# Altium PCB PRECLEAN USB-GPIB.PcbDoc (continued)
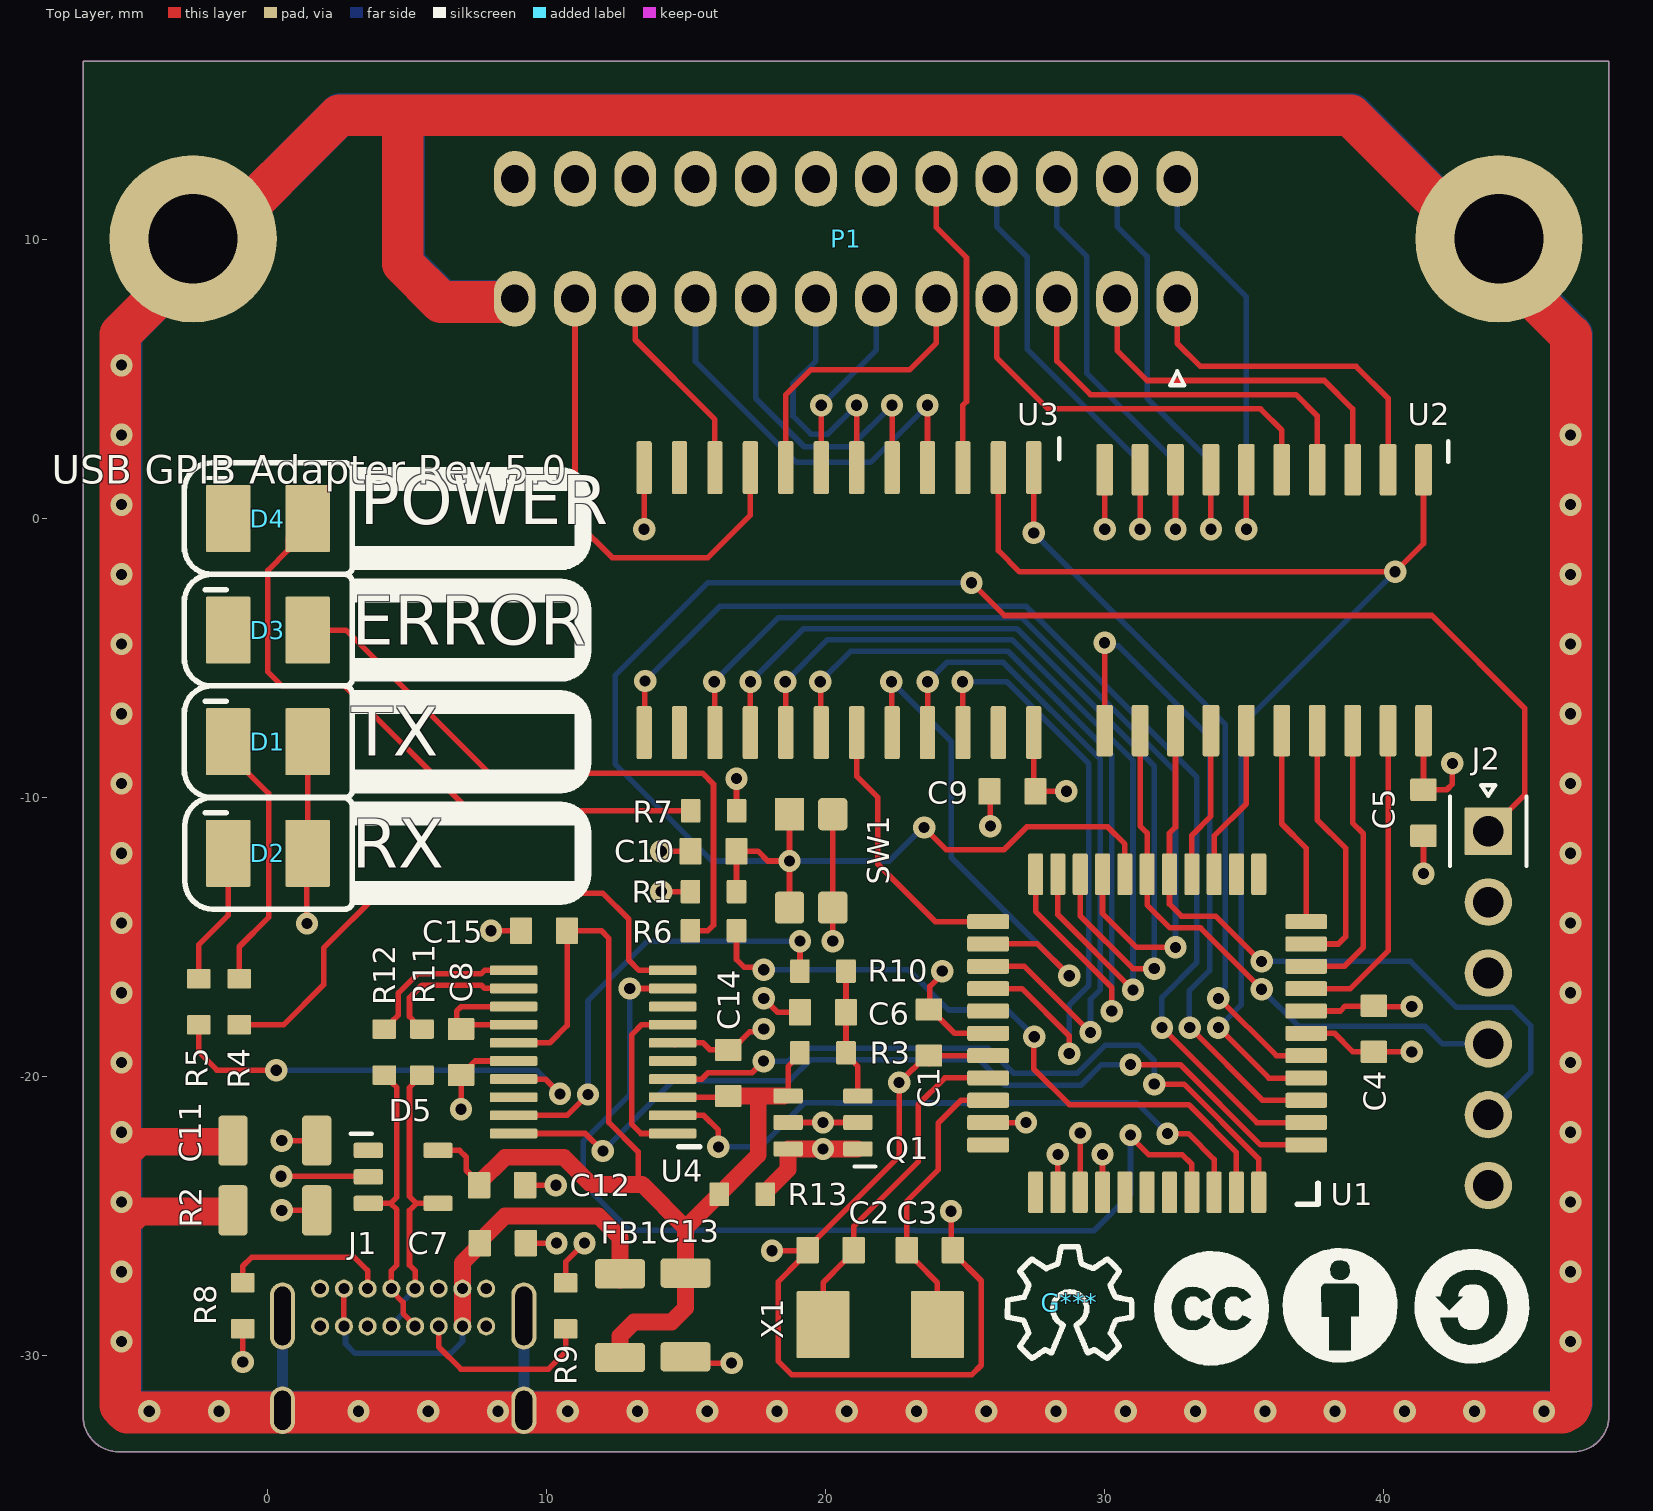
[diagram p0: Top Layer view]
## Components (designator, comment, footprint, x,y, rotation, side; value= is the part's Value field where it differs from the comment)
C1 "GENERIC-CAP-0603" CAP0603 23.7,-18.425 r270 top
C2 "GENERIC-CAP-0603" CAP0603 20.174,-26.229 r180 top
C3 "GENERIC-CAP-0603" CAP0603 23.73,-26.229 r0 top
C4 "GENERIC-CAP-0603" CAP0603 39.649,-18.293 r270 top
C5 "GENERIC-CAP-0603" CAP0603 41.427,-10.546 r270 top
C6 "GENERIC-CAP-0603" CAP0603 19.9,-17.7 r0 top
C7 "GENERIC-CAP-0603" CAP0603 8.425,-25.975 r0 top
C8 "GENERIC-CAP-0603" CAP0603 6.925,-19.125 r270 top locked
C9 "GENERIC-CAP-0603" CAP0603 26.695,-9.784 r180 top
C10 "GENERIC-CAP-0603" CAP0603 15.975,-11.925 r180 top
C11 "GENERIC-CAP-1206" CAP1206 0.25,-22.3 r0 top locked
C12 "GENERIC-CAP-0603" CAP0603 8.4,-23.9 r0 top
C13 "GENERIC-CAP-1206" CAP1206 14.975,-28.55 r270 top
C14 "GENERIC-CAP-0603" CAP0603 16.5,-19.875 r90 top
C15 "GENERIC-CAP-0603" CAP0603 9.9,-14.775 r180 top
D1 "LED-PLCC2-GREEN" LED-PLCC2-GREEN 0,-8 r0 top
D2 "LED-PLCC2-GREEN" LED-PLCC2-GREEN 0,-12 r0 top
D3 "LED-PLCC2-RED" LED-PLCC2-RED 0,-4 r0 top
D4 "LED-PLCC2-BLUE" LED-PLCC2-BLUE 0,0 r0 top
D5 "TVS-WURTH-824011" SOT23-5 4.85,-23.6 r0 top
FB1 "GENERIC-FB-1206" FB1206 12.625,-28.575 r90 top
G*** "Comment" LOGO 28.739,-28.104 r0 top value=LOGO
J1 "CONN-USBC-USB2-HOR" CONN-GCT-USB4085 4.851,-31.632 r0 top locked
J2 "CONN-HEADER-PIN-1X6" HEADER-1X6 43.75,-17.56 r270 top
P1 "CONN-NORCOMP-112-024-113R001" CONN-NORCOMP-112-024-113R001 20.726,10.028 r0 top
Q1 "PMOS-DDGSDD" SOT23-6 19.9,-21.65 r180 top
R1 "GENERIC-RES-0603" RES0603 15.975,-13.375 r0 top
R2 "GENERIC-RES-1206" RES1206 0.25,-24.8 r0 top locked
R3 "GENERIC-RES-0603" RES0603 19.9,-19.15 r180 top
R4 "GENERIC-RES-0603" RES0603 -1.025,-17.325 r90 top
R5 "GENERIC-RES-0603" RES0603 -2.475,-17.325 r90 top
R6 "GENERIC-RES-0603" RES0603 15.975,-14.775 r180 top
R7 "GENERIC-RES-0603" RES0603 15.976,-10.475 r180 top
R8 "GENERIC-RES-0603" RES0603 -0.9,-28.225 r90 top
R9 "GENERIC-RES-0603" RES0603 10.675,-28.225 r90 top
R10 "GENERIC-RES-0603" RES0603 19.9,-16.225 r0 top
R11 "GENERIC-RES-0603" RES0603 5.525,-19.125 r90 top locked
R12 "GENERIC-RES-0603" RES0603 4.175,-19.125 r90 top locked
R13 "GENERIC-RES-0603" RES0603 17.008,-24.225 r180 top
SW1 "SWITCH-PANASONIC-EVP-AA202K" SWITCH-PANASONIC-EVP-AA202K 19.475,-12.275 r270 top
U1 "PIC18F4520" QFP80P1200X1200-44N 31.521,-18.453 r180 top locked
U2 "SN75160B" SO127P1030-20N 35.712,-2.926 r270 top locked
U3 "SN75162B" SO127P1030-24N 20.472,-2.926 r270 top locked
U4 "IC-FTDI-FT231XS-R" SO65P640X110-20N 11.65,-19.125 r180 top
X1 "CRYSTAL-2PIN" XTAL-ABRACON-ABM3 21.952,-28.896 r0 top

## Footprints (in the part's own frame and the unit in brackets; to place one, negate y for a bottom-side part, rotate by r counter-clockwise, add the part's x,y. Pads: shape width x height; smd on the part's side, far side on the other; paste and mask are expansions set on the pad)
CAP0603 [mm] "Chip Capacitor, 2-Leads, Body 1.60x0.80mm, IPC Medium Density"
  rrect12% 0.8x0.95 smd mask+0.05: 1(-0.825,0) 2(0.825,0)
  body extent -0.8,-0.4 0.8,0.4, height 0.8
CAP1206 [mm] "CAPACITOR, CHIP 1206 (3216) 0.85MM THICK"
  rrect25% 1.05x1.8 smd paste+0 mask+0.075: 1(-1.5,0) 2(1.5,0)
  body extent -1.61,-0.81 1.61,0.81, height 0.86
CONN-GCT-USB4085 [mm]
  rrect100% 0.9x2.4 hole 2.1 slot 0.6 at 0 deg paste-2539.97 mask+0: 1(-4.325,3.045) 2(4.325,3.045)
  rrect100% 0.9x1.7 hole 1.4 slot 0.6 at 0 deg paste-2539.97 mask+0: 3(-4.325,-0.335) 4(4.325,-0.335)
  round 0.65 hole 0.4 paste-2539.97 mask+0: A1(-2.975,4.025) A4(-2.125,4.025) A5(-1.275,4.025) A6(-0.425,4.025) A7(0.425,4.025) A8(1.275,4.025) A9(2.125,4.025) A12(2.975,4.025) B1(2.975,2.675) B4(2.125,2.675) B5(1.275,2.675) B6(0.425,2.675) B7(-0.425,2.675) B8(-1.275,2.675) B9(-2.125,2.675) B12(-2.975,2.675)
  body extent -4.87,-4.83 4.87,4.83, height 0.25
CONN-NORCOMP-112-024-113R001 [mm] "GPIB MALE RA"
  oval 1.5x2 hole 1 paste-2539.97 mask+0.05: 1(11.874,-2.146) 2(9.716,-2.146) 3(7.556,-2.146) 4(5.397,-2.146) 5(3.238,-2.146) 6(1.079,-2.146) 7(-1.079,-2.146) 8(-3.238,-2.146) 9(-5.397,-2.146) 10(-7.556,-2.146) 11(-9.716,-2.146) 12(-11.874,-2.146) 13(11.874,2.146) 14(9.716,2.146) 15(7.556,2.146) 16(5.397,2.146) 17(3.238,2.146) 18(1.079,2.146) 19(-1.079,2.146) 20(-3.238,2.146) 21(-5.397,2.146) 22(-7.556,2.146) 23(-9.716,2.146) 24(-11.874,2.146)
  round 6 hole 3.2 paste-2539.97 mask+0.254: ME1(23.406,0) ME2(-23.406,0)
  silkscreen extent 11.63,-5.25 12.12,-4.75, body extent -27.36,-4.4 27.34,20, height 15.61
FB1206 [mm] "FERRITE BEAD, CHIP 1206 (3216)"
  rrect25% 1.05x1.8 smd paste+0 mask+0.075: 1(-1.5,0) 2(1.5,0)
  body extent -1.6,-0.8 1.6,0.8, height 1.3
HEADER-1X6 [mm]
  rrect5% 1.7x1.7 hole 1.1 mask+0.05: 1(-6.35,0)
  round 1.7 hole 1.1 mask+0.05: 2(-3.81,0) 3(-1.27,0) 4(1.27,0) 5(3.81,0) 6(6.35,0)
  silkscreen extent -8,-1.38 -5.1,1.38, body extent -7.62,-1.27 7.62,1.27, height 8.55
LED-PLCC2-BLUE [mm] "SMD Mono-color TOP LED, body 3.2x2.8mm"
  rrect6% 1.6x2.4 smd mask+0.05: 1(-1.425,0) 2(1.425,0)
  silkscreen extent -2.25,1.45 -1.5,1.45, body extent -1.75,-1.4 1.75,1.4, height 1.9
LED-PLCC2-GREEN [mm] "SMD Mono-color TOP LED, body 3.2x2.8mm"
  rrect6% 1.6x2.4 smd mask+0.05: 1(-1.425,0) 2(1.425,0)
  silkscreen extent -2.25,1.45 -1.5,1.45, body extent -1.75,-1.4 1.75,1.4, height 1.9
LED-PLCC2-RED [mm] "SMD Mono-color TOP LED, body 3.2x2.8mm"
  rrect6% 1.6x2.4 smd mask+0.05: 1(-1.425,0) 2(1.425,0)
  silkscreen extent -2.25,1.45 -1.5,1.45, body extent -1.75,-1.4 1.75,1.4, height 1.9
LOGO [mm]
  silkscreen extent -2.23,-2 2.23,2
QFP80P1200X1200-44N [mm] "TQFP80P1200X1200 44N"
  rrect25% 1.5x0.54 smd mask+0.075: 1(-5.7,4) 2(-5.7,3.2) 3(-5.7,2.4) 4(-5.7,1.6) 5(-5.7,0.8) 6(-5.7,0) 7(-5.7,-0.8) 8(-5.7,-1.6) 9(-5.7,-2.4) 10(-5.7,-3.2) 11(-5.7,-4) 23(5.7,-4) 24(5.7,-3.2) 25(5.7,-2.4) 26(5.7,-1.6) 27(5.7,-0.8) 28(5.7,0) 29(5.7,0.8) 30(5.7,1.6) 31(5.7,2.4) 32(5.7,3.2) 33(5.7,4)
  rrect25% 0.54x1.5 smd mask+0.075: 12(-4,-5.7) 13(-3.2,-5.7) 14(-2.4,-5.7) 15(-1.6,-5.7) 16(-0.8,-5.7) 17(0,-5.7) 18(0.8,-5.7) 19(1.6,-5.7) 20(2.4,-5.7) 21(3.2,-5.7) 22(4,-5.7) 34(4,5.7) 35(3.2,5.7) 36(2.4,5.7) 37(1.6,5.7) 38(0.8,5.7) 39(0,5.7) 40(-0.8,5.7) 41(-1.6,5.7) 42(-2.4,5.7) 43(-3.2,5.7) 44(-4,5.7)
  silkscreen extent -6.12,5.37 -5.37,6.12, body extent -6,-6 6,6, height 1.1
RES0603 [mm] "Chip Resistor, 2-Leads, Body 1.60x0.80mm, IPC Medium Density"
  rrect14% 0.7x0.85 smd mask+0.05: 1(-0.825,0) 2(0.825,0)
  body extent -0.8,-0.4 0.8,0.4, height 0.45
RES1206 [mm] "RESISTOR, CHIP 1206 (3216)"
  rrect25% 1.05x1.8 smd paste+0 mask+0.075: 1(-1.5,0) 2(1.5,0)
  body extent -1.55,-0.78 1.55,0.78, height 0.47
SO65P640X110-20N [mm] "TSSOP20 - PITCH 0.65MM, SPAN 6.4MM"
  rrect25% 1.7x0.35 smd mask+0.075: 1(-2.859,2.92) 2(-2.859,2.27) 3(-2.859,1.62) 4(-2.859,0.97) 5(-2.859,0.32) 6(-2.859,-0.33) 7(-2.859,-0.98) 8(-2.859,-1.63) 9(-2.859,-2.28) 10(-2.859,-2.93) 11(2.841,-2.93) 12(2.841,-2.28) 13(2.841,-1.63) 14(2.841,-0.98) 15(2.841,-0.33) 16(2.841,0.32) 17(2.841,0.97) 18(2.841,1.62) 19(2.841,2.27) 20(2.841,2.92)
  silkscreen extent -3.83,3.4 -3.08,3.4, body extent -3.32,-3.3 3.28,3.3, height 1.79
SO127P1030-20N [mm] "SOIC, 20-LEADS, BODY 12.80X7.50MM, PITCH 1.27MM, IPC MEDIUM DENSITY"
  rrect25% 1.85x0.6 smd mask+0.075: 1(-4.675,5.715) 2(-4.675,4.445) 3(-4.675,3.175) 4(-4.675,1.905) 5(-4.675,0.635) 6(-4.675,-0.635) 7(-4.675,-1.905) 8(-4.675,-3.175) 9(-4.675,-4.445) 10(-4.675,-5.715) 11(4.675,-5.715) 12(4.675,-4.445) 13(4.675,-3.175) 14(4.675,-1.905) 15(4.675,-0.635) 16(4.675,0.635) 17(4.675,1.905) 18(4.675,3.175) 19(4.675,4.445) 20(4.675,5.715)
  silkscreen extent -5.7,6.6 -4.95,6.6, body extent -5.15,-6.5 5.15,6.5, height 2.65
SO127P1030-24N [mm] "SOP, 24-LEADS, BODY 15.40X7.50MM, PITCH 1.27MM, IPC MEDIUM DENSITY"
  rrect25% 1.9x0.55 smd mask+0.075: 1(-4.75,6.985) 2(-4.75,5.715) 3(-4.75,4.445) 4(-4.75,3.175) 5(-4.75,1.905) 6(-4.75,0.635) 7(-4.75,-0.635) 8(-4.75,-1.905) 9(-4.75,-3.175) 10(-4.75,-4.445) 11(-4.75,-5.715) 12(-4.75,-6.985) 13(4.75,-6.985) 14(4.75,-5.715) 15(4.75,-4.445) 16(4.75,-3.175) 17(4.75,-1.905) 18(4.75,-0.635) 19(4.75,0.635) 20(4.75,1.905) 21(4.75,3.175) 22(4.75,4.445) 23(4.75,5.715) 24(4.75,6.985)
  silkscreen extent -5.8,7.9 -5.05,7.9, body extent -5.16,-7.8 5.16,7.8, height 2.65
SOT23-5 [mm] "SOT23 PACKAGE, 5 PIN (SOT25)"
  rrect25% 1.05x0.55 smd paste+0 mask+0.075: 1(-1.25,0.95) 2(-1.25,0) 3(-1.25,-0.95) 4(1.25,-0.95) 5(1.25,0.95)
  silkscreen extent -1.88,1.55 -1.12,1.55, body extent -1.4,-1.46 1.4,1.44, height 1.45
SOT23-6 [mm] "SOT23 PACKAGE, 6 PIN (SOT26)"
  rrect25% 1.05x0.55 smd paste+0 mask+0.05: 1(-1.25,0.95) 2(-1.25,0) 3(-1.25,-0.95) 4(1.25,-0.95) 5(1.25,0) 6(1.25,0.95)
  silkscreen extent -1.88,1.58 -1.12,1.58, body extent -1.4,-1.45 1.4,1.45, height 1.45
SWITCH-PANASONIC-EVP-AA202K [mm] "SWITCH-PANASONIC-EVP-AA202K"
  rect 1.15x1.05 smd mask+0.075: 1(-1.675,-0.775)
  rrect25% 1.15x1.05 smd mask+0.075: 2(1.675,-0.775) 3(1.675,0.775) 4(-1.675,0.775)
  body extent -2.15,-1.55 2.15,1.55, height 1.71
XTAL-ABRACON-ABM3 [mm]
  rrect5% 1.9x2.4 smd mask+0.05: 1(-2.05,0) 2(2.05,0)
  body extent -2.5,-1.6 2.5,1.6, height 1.31

## Part data
D5: Supplier Part Number 1=732-4465-1-ND, Supplier 1=Digikey
G***: library part LOGO, "OSHW LOGO"
P1: Supplier Part Number 1=1024RMA-ND, Supplier 1=Digikey
U1: library part IC-MICROCHIP-PIC18F4520
U2: library part IC-TI-SN75160B
U3: library part IC-TI-SN75162B
X1: "CRYSTAL 2 PIN GENERIC"

## Via types
v1: diameter 0.8, hole 0.4, Top Layer to Bottom Layer, tented both sides, 133 vias

## Nets (pads, with @x,y where several pads share a name; then routed paths per layer and width w, separated by ;. In a path a pad name is that pad's centre, name@x,y a point inside that pad or via, vN(x,y) a via of type N, cw(c..) or ccw(c..) an arc to the next point about the centre after c; other vN are vias at no path point)
ATN: U1.20 U3.16 | length 31.3
  Top Layer w0.2: U3.16 17.299,-7.674 17.299,-5.851 v1(17.3,-5.85) ; U1.20 29.121,-14.242 31.013,-16.134 v1(31.775,-16.134)
  Bottom Layer w0.2: v1(17.3,-5.85) 19.2,-3.95 26.854,-3.95 31.775,-8.871 v1(31.775,-16.134)
DAV: U1.22 U3.18 | length 29.5
  Top Layer w0.2: v1(19.8,-5.85) 19.819,-5.869 19.819,-7.658 U3.18 ; U1.22 27.521,-14.084 30.251,-16.814 v1(30.251,-17.658)
  Bottom Layer w0.2: v1(19.8,-5.85) 20.9,-4.75 26.523,-4.75 30.251,-8.478 v1(30.251,-17.658)
DC: U1.2 U3.13 | length 41.4
  Top Layer w0.2: U3.13 13.506,-7.657 13.506,-5.844 v1(13.525,-5.825) ; v1(32.05,-18.25) 35.453,-21.653 U1.2
  Bottom Layer w0.2: v1(13.525,-5.825) 16.2,-3.15 27.186,-3.15 33.3,-9.264 33.3,-15.919 32.05,-17.169 v1(32.05,-18.25)
DIO1: U1.8 U2.19 | length 11.4
  Top Layer w0.2: U1.8 38.803,-16.853 40.157,-15.499 40.157,-11.816 U2.19
DIO2: U1.9 U2.18 | length 10.3
  Top Layer w0.2: U1.9 38.587,-16.053 39.268,-15.372 39.268,-11.816 39.268,-11.293 38.887,-10.912 U2.18
DIO3: U1.10 U2.17 | length 9.3
  Top Layer w0.2: U1.10 38.371,-15.253 38.633,-14.991 38.633,-11.816 37.617,-10.8 U2.17
DIO4: U1.11 U2.16 | length 7.2
  Top Layer w0.2: U2.16 36.347,-10.942 37.221,-11.816 U1.11
DIO5: U1.14 U2.15 | length 5.6
  Top Layer w0.2: U1.14 33.921,-11.816 33.921,-11.379 35.077,-10.223 U2.15
DIO6: U1.15 U2.14 | length 5.4
  Top Layer w0.2: U1.15 33.121,-11.816 33.121,-11.354 33.807,-10.668 U2.14
DIO7: J2.5 U1.16 U2.13 | length 24.9
  Top Layer w0.2: U2.13 32.537,-11.06 32.321,-11.275 U1.16 32.321,-13.821 32.75,-14.25 33.975,-14.25 35.6,-15.875 v1(35.625,-15.875)
  Bottom Layer w0.2: v1(35.625,-15.875) 40.962,-15.875 42.612,-17.525 44.611,-17.525 45.275,-18.189 45.275,-19.845 J2.5
DIO8: J2.4 U1.17 U2.12 | length 20.6
  Top Layer w0.2: U2.12 31.267,-11.017 31.521,-11.272 U1.17 31.521,-13.846 32.347,-14.672 33.432,-14.672 35.625,-16.865 v1(35.625,-16.875)
  Bottom Layer w0.2: v1(35.625,-16.875) 36.945,-18.195 41.47,-18.195 42.105,-18.83 J2.4
EOI: U1.21 U3.17 | length 30.2
  Top Layer w0.2: v1(18.55,-5.85) 18.559,-5.859 18.559,-7.668 U3.17 ; U1.21 28.321,-14.204 v1(31.013,-16.896)
  Bottom Layer w0.2: v1(18.55,-5.85) 20.05,-4.35 26.689,-4.35 31.013,-8.674 v1(31.013,-16.896)
ERROR: R6.1 U1.43 | length 24
  Top Layer w0.2: R6.1 16.8,-15.808 17.075,-16.083 17.683,-16.083 v1(17.775,-16.175) ; v1(27.475,-18.575) 27.45,-18.6 27.45,-19.725 28.737,-21.013 33.013,-21.013 34.721,-22.721 U1.43
  Bottom Layer w0.2: v1(17.775,-16.175) 22.96,-16.175 24.402,-17.616 26.516,-17.616 v1(27.475,-18.575)
FT_CTS: U1.41 U4.9 | length 35.9
  Top Layer w0.2: v1(12.975,-16.85) 12.978,-16.847 14.507,-16.847 U4.9 ; v1(30.925,-22.1) 30.925,-22.15 31.575,-22.8 32.775,-22.8 33.121,-23.146 U1.41
  Bottom Layer w0.2: v1(12.975,-16.85) 12.975,-20.654 11.309,-22.32 11.309,-23.859 12.965,-25.515 23.207,-25.515 23.224,-25.532 29.612,-25.532 30.925,-24.219 v1(30.925,-22.1)
FT_RTS: U1.42 U4.2 | length 23
  Top Layer w0.2: U4.2@14.437,-21.397 15.625,-21.397 16.15,-21.922 v1(16.15,-22.525) ; v1(32.25,-22.05) 33,-22.05 33.921,-22.971 U1.42
  Bottom Layer w0.2: v1(16.15,-22.525) 17.653,-22.525 19.228,-20.95 20.379,-20.95 20.381,-20.953 31.153,-20.953 v1(32.25,-22.05)
FT_RXD: U1.44 U4.4 | length 25.6
  Top Layer w0.2: U4.4 15.555,-20.095 15.783,-19.867 17.355,-19.867 v1(17.773,-19.45) ; v1(31.775,-20.275) 32.841,-20.275 35.521,-22.956 U1.44
  Bottom Layer w0.2: v1(17.773,-19.45) 18.665,-19.45 19.132,-18.983 25.821,-18.983 26.721,-19.882 29.017,-19.882 30.024,-18.875 31.215,-18.875 31.775,-19.435 v1(31.775,-20.275)
FT_TXD: U1.1 U4.20 | length 31.9
  Top Layer w0.2: U4.20 10.356,-22.045 11.379,-22.045 v1(12.009,-22.675) ; v1(30.925,-19.575) 32.706,-19.575 35.584,-22.453 U1.1
  Bottom Layer w0.2: v1(12.009,-22.675) 14.534,-20.15 18.707,-20.15 19.457,-19.4 25.506,-19.4 26.429,-20.323 29.142,-20.323 29.89,-19.575 v1(30.925,-19.575)
G_ATN: P1.11 U3.9 | length 17.1
  Top Layer w0.2: P1.11 11.011,-0.069 12.344,-1.402 15.773,-1.402 17.297,0.122 U3.9
G_DAV: P1.6 U3.7 | length 7.1
  Top Layer w0.2: U3.7 v1(19.837,4.059)
  Bottom Layer w0.2: v1(19.837,4.059) 21.806,6.027 P1.6 P1.6@21.806,7.632
G_DIO1: P1.1 U2.2 | length 12.5
  Top Layer w0.2: P1.1 32.601,6.281 33.426,5.456 39.014,5.456 40.157,4.313 U2.2
G_DIO2: P1.2 U2.3 | length 13.4
  Top Layer w0.2: P1.2 30.442,6.027 31.521,4.948 37.871,4.948 38.887,3.932 U2.3
G_DIO3: P1.3 U2.4 | length 14.3
  Top Layer w0.2: P1.3 28.283,5.646 29.489,4.44 36.855,4.44 37.617,3.678 U2.4
G_DIO4: P1.4 U2.5 | length 14.8
  Top Layer w0.2: P1.4 26.124,5.773 27.965,3.932 35.585,3.932 36.347,3.17 U2.5
G_DIO5: P1.13 U2.6 | length 15.7
  Top Layer w0.2: v1(35.077,-0.386) 35.077,-0.259 U2.6
  Bottom Layer w0.2: P1.13 32.601,10.424 35.077,7.948 v1(35.077,-0.386)
G_DIO6: P1.14 U2.7 | length 16
  Top Layer w0.2: v1@33.807,-0.259 U2.7
  Bottom Layer w0.2: P1.14 30.442,10.472 31.521,9.393 31.521,4.313 33.807,2.027 v1(33.807,-0.386)
G_DIO7: P1.15 U2.8 | length 16.3
  Top Layer w0.2: v1@32.537,-0.259 U2.8
  Bottom Layer w0.2: P1.15 28.283,10.472 29.362,9.393 29.362,5.202 32.537,2.027 v1(32.537,-0.386)
G_DIO8: P1.16 U2.9 | length 16.7
  Top Layer w0.2: v1@31.267,-0.259 U2.9
  Bottom Layer w0.2: P1.16 26.124,10.472 27.229,9.367 27.229,6.065 31.267,2.027 v1(31.267,-0.386)
G_EOI: P1.5 U3.8 | length 10.4
  Top Layer w0.2: U3.8 18.567,4.44 19.456,5.329 22.996,5.329 23.965,6.297 P1.5
G_IFC: P1.9 U3.4 | length 15.2
  Top Layer w0.2: U3.4 v1(23.647,4.059)
  Bottom Layer w0.2: P1.9 15.329,5.627 18.945,2.011 21.599,2.011 v1(23.647,4.059)
G_NDAC: P1.8 U3.5 | length 12
  Top Layer w0.2: U3.5 v1(22.377,4.059)
  Bottom Layer w0.2: P1.8 17.488,4.312 19.227,2.573 20.891,2.573 v1(22.377,4.059)
G_NRFD: P1.7 U3.6 | length 9.8
  Top Layer w0.2: U3.6 v1(21.107,4.059)
  Bottom Layer w0.2: P1.7 19.647,5.655 18.825,4.833 18.825,3.669 19.47,3.024 20.072,3.024 v1(21.107,4.059)
G_REN: P1.17 U3.3 | length 10.9
  Top Layer w0.2: P1.17 23.965,10.436 25.044,9.356 25.044,4.194 24.917,4.067 U3.3
G_SRQ: P1.10 U3.10 | length 7.2
  Top Layer w0.2: P1.10 13.17,6.408 16.027,3.551 U3.10
GND: C1.2 C2.2 C3.2 C4.2 C5.2 C7.2 C8.2 C9.2 C10.2 C11.2 C12.2 C13.2 C14.2 C15.2 D5.2 J1.A1 J1.A12 J1.B1 J1.B12 J2.3 P1.18 P1.19 P1.20 P1.21 P1.22 P1.23 P1.24 R2.2 R8.1 R9.2 SW1.3 SW1.4 U1.6 U1.29 U1.32 U1.35 U1.36 U1.37 U2.10 U3.12 U4.6 U4.16 | length 74.5
  Top Layer w0.2: v1(-0.9,-30.236) R8.1 ; v1(0.475,-23.575) 0.554,-23.575 D5.2@3.475,-23.575 ; v1(0.5,-24.8) R2.2@1.8,-24.8 ; v1(0.5,-22.3) C11.2@1.86,-22.3 ; v1(6.925,-21.175) 6.925,-20.25 7.231,-20.25 C8.2@7.265,-20.215 ; C8.2 7,-19.95 7.3,-19.65 7.3,-19.575 7.43,-19.445 U4.16 U4.16@8.134,-19.445 ; v1(8,-14.775) C15.2@9.089,-14.775 ; C12.2 v1(10.325,-23.9) ; C7.2@9.325,-25.975 v1(10.35,-25.975) ; R9.2 10.675,-26.65 v1(11.35,-25.975) ; v1(13.487,-0.386) U3.12 ; v1(14.1,-11.925) C10.2@14.9,-11.925 ; U4.6@14.157,-18.785 15.59,-18.785 15.842,-19.037 C14.2@16.588,-19.037 ; U4.6 U4.6@14.584,-18.87 ; C13.2@14.975,-30.3 15,-30.275 v1(16.625,-30.275) ; C14.2@16.2,-19.35 16.8,-18.75 16.925,-18.75 17.28,-18.395 17.68,-18.395 v1(17.775,-18.3) ; v1(18.075,-26.25) 19.328,-26.25 C2.2 19.049,-26.529 19.049,-26.604 18.3,-27.353 18.3,-28.839 18.3,-30.216 18.775,-30.691 25.237,-30.691 25.575,-30.353 25.575,-30.18 25.575,-27.324 24.555,-26.304 C3.2 24.492,-26.166 v1(24.492,-24.832) ; C2.2@19.349,-26.154 22.631,-22.872 v1(22.631,-20.219) 23.126,-19.724 23.151,-19.724 23.503,-19.373 23.503,-19.348 C1.2@23.705,-19.55 ; v1(20.25,-15.15) SW1.4 ; C1.2@23.685,-19.535 23.968,-19.253 U1.29 ; C1.2@23.7,-19.55 C1.2 ; U1.32@25.801,-21.653 v1(27.18,-21.653) ; C9.2@25.89,-9.784 25.9,-9.794 v1(25.9,-11.025) ; U1.35@28.321,-24.173 v1(28.321,-22.794) ; U1.36@29.121,-24.133 29.123,-24.131 29.123,-22.027 v1(29.125,-22.025) ; U1.37@29.921,-24.173 v1(29.921,-22.794) ; v1(30,-0.386) 30,0.8 ; U1.6 38.23,-18.453 38.896,-19.118 C4.2 ; C4.2@39.629,-19.118 v1(41.008,-19.118) ; v1(41.427,-12.73) C5.2@41.427,-11.351
IFC: U1.25 U3.21 | length 24.3
  Top Layer w0.2: U3.21 23.648,-7.675 23.648,-5.852 v1(23.65,-5.85) ; U1.25 27.122,-16.053 v1(29.489,-18.42)
  Bottom Layer w0.2: v1(23.65,-5.85) 24.35,-5.15 26.357,-5.15 29.833,-8.626 29.833,-16.893 29.489,-17.238 v1(29.489,-18.42)
NDAC: U1.24 U3.20 | length 18.4
  Top Layer w0.2: v1(22.35,-5.85) 22.364,-5.864 22.364,-7.662 U3.20 ; U1.24 25.825,-15.249 27.588,-15.249 v1(28.727,-16.388)
  Bottom Layer w0.2: v1(22.35,-5.85) 24.5,-8 24.5,-12.161 v1(28.727,-16.388)
NetC2_1: C2.1 U1.30 X1.1 | length 12.2
  Top Layer w0.2: X1.1 19.902,-27.396 20.694,-26.604 20.699,-26.604 20.999,-26.304 C2.1 20.999,-25.376 23.31,-23.065 23.31,-21.015 24.272,-20.053 U1.30
NetC3_1: C3.1 U1.31 X1.2 | length 10.3
  Top Layer w0.2: X1.2 24.002,-27.396 23.21,-26.604 23.205,-26.604 22.905,-26.304 C3.1 22.905,-24.47 24.025,-23.35 24.025,-21.679 24.851,-20.853 U1.31
NetC6_2: C6.2 Q1.3 R3.1 R10.2 | length 4.6
  Top Layer w0.2: R3.1@20.725,-19.225 21.15,-19.65 Q1.3 ; R3.1 R10.2
NetC8_1: C8.1 U4.13 U4.14 | length 4.7
  Top Layer w0.2: 6.931,-17.495 6.767,-17.659 6.767,-18.309 6.842,-18.309 C8.1@6.969,-18.182 ; C8.1@7.006,-18.145 U4.14 ; 7.006,-17.495 U4.13
NetC10_1: C10.1 J2.1 R1.2 SW1.1 SW1.2 U1.18 | length 74.1
  Top Layer w0.2: R1.2 C10.1 17.57,-11.925 17.92,-12.275 v1(18.7,-12.275) ; SW1.2 v1(18.7,-12.275) ; 18.7,-11.6 18.7,-11.65 ; SW1.1@18.7,-10.65 18.7,-11.65 ; SW1.1@18.7,-10.55 18.7,-11.65 ; v1(23.525,-11.075) 24.325,-11.875 26.381,-11.875 27.206,-11.05 30.102,-11.05 30.721,-11.669 U1.18 ; v1(25.225,-2.3) 26.4,-3.475 41.725,-3.475 45.05,-6.8 45.05,-9.91 J2.1 ; v1(18.7,-12.275) 18.7,-11.65
  Bottom Layer w0.2: v1(23.525,-11.075) 23.475,-11.075 22.275,-12.275 v1(18.7,-12.275) 15.925,-12.275 12.45,-8.8 12.45,-5.625 15.775,-2.3 v1(25.225,-2.3)
NetC12_1: C12.1 C13.1 C14.1 C15.1 D5.5 FB1.1 Q1.4 R3.2 R13.2 U4.3 U4.15 | length 46.7
  Top Layer w0.2: D5.5 6.875,-22.65 7.112,-22.887 7.112,-23.362 7.575,-23.825 C12.1 ; U4.15 10.105,-18.795 10.725,-18.175 C15.1 11.95,-14.775 12.225,-15.05 12.225,-21.65 13.275,-22.7 13.275,-23.725 ; 13.125,-28.8 13.425,-28.8 ; U4.3 16.455,-20.745 C14.1 ; Q1.4 18.65,-19.65 19.075,-19.225 R3.2
  Top Layer w0.6: C12.1@7.575,-23.825 8.5,-22.9 10.084,-22.9 ; 10.55,-22.9 10.084,-22.9 ; FB1.1@12.625,-30.3 12.625,-29.3 13.125,-28.8 ; 13.425,-28.8 13.125,-28.8 ; C14.1 17.575,-20.7 ; Q1.4@18.5,-20.7 17.575,-20.7 ; 10.084,-22.9 10.617,-22.9 11.592,-23.875 13.425,-23.875 14.975,-25.425 ; 13.125,-28.8 14.475,-28.8 14.975,-28.3 14.975,-27.3 14.975,-25.425 ; 14.975,-25.425 16.183,-24.217 17.575,-22.825 17.575,-20.7
NetD1_1: D1.1 R4.2 | length 9.5
  Top Layer w0.2: D1.1 -1.425,-8.4 0.025,-9.85 0.025,-14.3 -1.025,-15.35 R4.2
NetD2_1: D2.1 R5.2 | length 4.6
  Top Layer w0.2: R5.2 -2.475,-15.275 -1.425,-14.225 D2.1@-1.425,-12.375
NetD3_2: D3.2 R6.2 | length 23
  Top Layer w0.2: D3.2 2.8,-4 7.925,-9.125 15.576,-9.125 15.976,-9.525 15.976,-11.775 15.976,-14.575 15.776,-14.775 R6.2@14.926,-14.775
NetD4_2: D4.2 R7.2 | length 23.3
  Top Layer w0.2: D4.2 0.725,-0.7 0.725,-1.135 0,-1.86 0,-5.498 0.502,-6 2.75,-6 7.225,-10.475 R7.2
NetJ1_A5: J1.A5 R8.2 | length 6.1
  Top Layer w0.2: R8.2 -0.9,-26.8 -0.575,-26.475 3.093,-26.475 3.576,-26.958 J1.A5
NetJ1_B5: J1.B5 R9.1 | length 6.7
  Top Layer w0.2: J1.B5 6.126,-29.695 6.92,-30.49 10.06,-30.49 10.675,-29.875 R9.1
NetR10_1: R10.1 U4.19 | length 15.9
  Top Layer w0.2: U4.19 8.812,-21.397 10.728,-21.397 v1(11.475,-20.65) ; R10.1 v1(19.075,-15.15)
  Bottom Layer w0.2: v1(11.475,-20.65) 11.475,-17.282 13.607,-15.15 v1(19.075,-15.15)
NetR11_2: R11.2 U4.12 | length 5.6
  Top Layer w0.2: 5.5,-16.75 5.288,-16.962 ; R11.2 5.45,-18.3 5.2,-18.05 5.2,-17.975 5.076,-17.851 5.076,-17.174 5.288,-16.962 ; U4.12 7.768,-16.845 7.649,-16.725 7.232,-16.725 5.532,-16.725 5.295,-16.962 5.288,-16.962
NetR12_2: R12.2 U4.11 | length 6
  Top Layer w0.2: R12.2 4.25,-18.3 4.5,-18.05 4.5,-17.975 4.676,-17.799 4.676,-17.008 5.359,-16.325 7.1,-16.325 7.638,-16.325 7.768,-16.195 U4.11
NetU4_1: U4.1 U4.7 | length 6.4
  Top Layer w0.2: U4.1 13.375,-22.045 13.05,-21.72 13.05,-18.498 13.403,-18.145 U4.7
NRFD: U1.23 U3.19 | length 9.8
  Top Layer w0.2: U3.19 21.107,-9.232 21.869,-9.994 21.869,-12.394 23.928,-14.453 U1.23
PE: U1.3 U2.11 | length 24.3
  Top Layer w0.2: U2.11 v1(29.997,-4.45) ; v1(33.05,-18.25) 35.653,-20.853 U1.3
  Bottom Layer w0.2: v1(29.997,-4.45) 30.101,-4.554 30.482,-4.554 33.76,-7.832 33.76,-16.2 33.025,-16.935 33.025,-18.225 v1(33.05,-18.25)
REN: U1.26 U3.22 | length 22.5
  Top Layer w0.2: v1(24.9,-5.85) 24.908,-5.858 24.908,-7.667 U3.22 ; U1.26 27.033,-16.853 28.727,-18.547 v1(28.727,-19.182)
  Bottom Layer w0.2: v1(24.9,-5.85) 26.492,-5.85 29.427,-8.785 29.427,-16.734 28.727,-17.434 v1(28.727,-19.182)
RXLED: R5.1 U4.17 | length 16.4
  Top Layer w0.2: R5.1 -2.475,-19.125 -1.825,-19.775 v1(0.3,-19.775) ; U4.17 9.945,-20.095 v1(10.475,-20.625)
  Bottom Layer w0.2: v1(0.3,-19.775) 9.625,-19.775 v1(10.475,-20.625)
SC: U1.5 U3.1 | length 26
  Top Layer w0.2: v1(27.457,-0.513) U3.1 ; v1(34.075,-17.2) 34.1,-17.2 36.153,-19.253 U1.5
  Bottom Layer w0.2: v1(27.457,-0.513) 34.325,-7.381 34.325,-16.788 34.075,-17.038 v1(34.075,-17.2)
SHIELD: C11.1 J1.1 J1.2 J1.3 J1.4 P1.12 P1.ME1 P1.ME2 R2.1 | length 411
  Top Layer w1: v1@-5.291,-24.541 -4.791,-25.041 ; v1@-5.291,-22.041 -4.791,-22.541 ; -4.791,-24.841 R2.1@-1.291,-24.841 ; -4.791,-22.341 C11.1@-1.291,-22.341
  Top Layer w1.5: -5.291,-31.791 -5.291,-24.541 -5.291,-22.041 -5.291,6.605 -2.721,9.175 -2.721,9.987 -1.909,9.987 2.563,14.459 4.834,14.459 ; -5.25,-31.75 ccw(c-5,-31.75) -5,-32 ; -5.041,-32.041 0.485,-32.041 3.209,-32.041 10.709,-32.041 13.209,-32.041 25.709,-32.041 28.209,-32.041 46.409,-32.041 ; P1.12@8.811,7.841 8.729,7.759 6.209,7.759 4.834,9.134 4.834,14.459 ; 46.45,-32 ccw(c46.45,-31.75) 46.7,-31.75 ; 46.709,-31.747 46.709,6.557 44.091,9.175 44.091,9.987 43.279,9.987 38.807,14.459 4.834,14.459
  Bottom Layer w0.4: J1.3 J1.1 ; J1.4 J1.2
  Bottom Layer w1.5: -5.25,-31.75 v1(-5.25,-29.5) v1(-5.25,-27) v1(-5.25,-24.5) v1(-5.25,-22) v1(-5.25,-19.5) v1(-5.25,-17) v1(-5.25,-14.5) v1(-5.25,-12) v1(-5.25,-9.5) v1(-5.25,-7) v1(-5.25,-4.5) v1(-5.25,-2) v1(-5.25,0.5) v1(-5.25,3) v1(-5.25,5.5) -5.25,6.646 -2.68,9.216 P1.ME2 -1.868,10.028 2.604,14.5 4.875,14.5 ; -5,-32 0.526,-32 v1(3.25,-32) v1(10.75,-32) v1(13.25,-32) v1(25.75,-32) v1(28.25,-32) v1(30.75,-32) v1(33.25,-32) v1(35.75,-32) v1(38.25,-32) v1(40.75,-32) v1(43.25,-32) v1(45.75,-32) 46.45,-32 ; P1.12 8.77,7.8 6.25,7.8 4.875,9.175 4.875,14.5 ; 46.75,-31.706 46.75,0.5 46.75,6.598 44.132,9.216 P1.ME1 43.32,10.028 38.848,14.5 4.875,14.5
  other v1: -4.25,-32 -1.75,-32 5.75,-32 8.25,-32 15.75,-32 18.25,-32 20.75,-32 23.25,-32 46.7,-29.5 46.7,-27 46.7,-24.5 46.7,-22 46.7,-19.5 46.7,-17 46.7,-14.5 46.7,-12 46.7,-9.5 46.7,-7 46.7,-4.5 46.7,-2 46.7,0.5 46.7,3
SRQ: U1.19 U3.15 | length 32.4
  Top Layer w0.2: v1(16,-5.85) 16.014,-5.864 16.014,-7.662 U3.15 ; U1.19 29.921,-14.153 31.14,-15.372 v1(32.537,-15.372)
  Bottom Layer w0.2: v1(16,-5.85) 18.3,-3.55 27.02,-3.55 32.537,-9.067 v1(32.537,-15.372)
TE: U1.4 U2.1 U3.2 | length 44.5
  Top Layer w0.2: U3.2 26.187,-1.148 26.949,-1.91 v1(40.411,-1.91) 41.427,-0.894 U2.1 ; v1(34.075,-18.25) 35.887,-20.062 37.212,-20.062 U1.4
  Bottom Layer w0.2: v1(34.075,-18.25) 34.9,-17.425 34.9,-7.421 38.258,-4.063 v1(40.411,-1.91)
TXLED: R4.1 U4.10 | length 20.3
  Top Layer w0.2: R4.1 0.563,-18.15 2,-16.713 2,-15.4 3.975,-13.425 12,-13.425 12.936,-14.361 12.936,-15.821 13.31,-16.195 U4.10
USB_N: D5.4 J1.A7 J1.B7 R11.1 | length 10.8
  Top Layer w0.2: 5.076,-26.762 5.276,-26.963 J1.A7 J1.A7@5.193,-27.524 ; 5.076,-26.715 5.076,-24.799 5.325,-24.55 ; R11.1 5.45,-19.95 5.2,-20.2 5.2,-20.275 5.076,-20.399 5.076,-24.301 5.325,-24.55 ; D5.4@6.2,-24.55 5.325,-24.55
  Bottom Layer w0.2: J1.B7 4.426,-28.921 4.85,-28.497 4.85,-28.067 5.276,-27.641 J1.A7
USB_P: D5.3 J1.A6 J1.B6 R12.1 | length 10.6
  Top Layer w0.2: D5.3@3.675,-24.55 4.4,-24.55 ; R12.1 4.25,-19.95 4.5,-20.2 4.5,-20.275 4.626,-20.401 4.626,-24.324 4.4,-24.55 ; J1.B6 5.276,-28.923 4.85,-28.497 4.85,-28.1 4.426,-27.676 J1.A6 4.426,-26.963 4.626,-26.762 4.626,-24.776 4.4,-24.55
VBUS: C7.1 FB1.2 J1.A4 J1.A9 J1.B4 J1.B9 | length 18.8
  Top Layer w0.2: J1.B9 J1.A4 ; FB1.2@12.625,-27.3 12.625,-26.2
  Top Layer w0.6: J1.B4 J1.A9 6.976,-26.674 7.6,-26.05 C7.1@7.6,-25.9 ; C7.1 C7.1@7.6,-25.9 ; FB1.2@12.625,-27.3 12.625,-26.2 12.625,-25.775 11.85,-25 8.5,-25 C7.1@7.6,-25.9
  Bottom Layer w0.2: J1.B9 2.782,-29.013 2.782,-29.582 3.125,-29.925 6.55,-29.925 6.976,-29.499 J1.B4
VCC: C1.1 C4.1 C5.1 C6.1 C9.1 D1.2 D2.2 J2.2 Q1.1 Q1.2 Q1.5 Q1.6 R1.1 R7.1 R13.1 U1.7 U1.28 U2.20 U3.24 | length 30.1
  Top Layer w0.2: v1(1.401,-14.514) D2.2@1.401,-13.135 ; D2.2@1.425,-12.375 D2.2 D1.2@1.425,-8.775 ; v1(14.1,-13.375) 14.9,-13.375 14.926,-13.349 R1.1@14.926,-13.251 ; v1(16.8,-9.325) 16.8,-10.473 R7.1 ; v1(17.775,-17.2) 18.275,-17.7 C6.1 ; Q1.5 Q1.2 ; C1.1@23.73,-17.555 23.73,-16.77 24.175,-16.325 v1(24.175,-16.225) ; C1.1@24.093,-17.931 24.615,-18.453 U1.28 ; U3.24 27.457,-9.748 27.484,-9.775 v1(28.625,-9.775) ; U1.7 38.447,-17.653 38.62,-17.48 39.636,-17.48 39.651,-17.495 v1(41.006,-17.495) ; U2.20 C5.1 ; C5.1@41.502,-9.721 C5.1 ; v1(42.462,-8.776) 42.462,-9.519 42.26,-9.721 C5.1
  Top Layer w0.6: R13.1 17.833,-24.15 18.65,-23.333 Q1.6@18.65,-22.625 ; Q1.6 v1(19.9,-22.6) Q1.1
  other v1: 19.9,-21.65
pads on no net: D3.1 D4.1 D5.1 J1.A8 J1.B8 J2.6 U1.12 U1.13 U1.27 U1.33 U1.34 U1.38 U1.39 U1.40 U3.11 U3.14 U3.23 U4.5 U4.8 U4.18

## Polygon pours and split planes (outlines as drawn)
GND on Bottom Layer "GND_L04_P001" (solid, remove dead copper, pour order 1): 48.5,-34 48.5,16.75 -7,16.75 -7,-34
GND on Layer 1 "GND_L02_P002" (solid, remove dead copper, pour order 2): 49.35,-34 49.35,16.75 -6.15,16.75 -6.15,-34
VCC on Layer 2 "VCC_L03_P000" (solid, remove dead copper, pour order 0): 48.5,-34 48.5,16.75 -7,16.75 -7,-34

## Keep-outs
Keep-Out Layer:
  the board outline again, w0.05

## Silkscreen, mask and mechanical layers (free items; w line width, h text height)
Top Overlay:
  drawing of 66 lines, arcs and shapes, not listed
  text "USB GPIB Adapter Rev 5.0" at -7.75,1.25 h1.02
  text "POWER" at 3.3,-0.777 h3
  text "ERROR" at 3,-5.104 h3
  text "TX" at 3,-9.083 h3
  text "RX" at 3,-13.083 h3
Mechanical 1:
  lines w0.05: -4.5,-32 46,-32 ; -4.5,-32 46,-32 ; -4.5,-32 46,-32 ; -4.5,-32 46,-32

## Text inside footprints (layer, text, board x,y; h text height)
D1: Top Assembly "K" at -2.225,-9.185 h2
D2: Top Assembly "K" at -2.225,-13.185 h2
D3: Top Assembly "K" at -2.225,-5.185 h2
D4: Top Assembly "K" at -2.225,-1.185 h2
D5: Top Assembly "1" at 3.075,-22.975 h0.3
P1: Top Courtyard "BOARD EDGE" at 16.436,19.288 h1
Q1: Top Assembly "1" at 21.675,-22.275 h0.3 r180
SW1: Top Assembly "1" at 18.175,-10.025 h1 r270
U1: Top Assembly "1" at 38.221,-22.183 h0.3 r180
U2: Top Assembly "1" at 41.127,2.674 h0.3 r270
U3: Top Assembly "1" at 27.182,2.774 h0.3 r270
U4: Top Assembly "1" at 15.359,-21.87 h0.3 r180